# Altium PCB spin5v1_simple.PcbDoc (part 8 of 25)
Units mm, origin at the board's own origin, x right, y up, seen from the top; angles counter-clockwise.
Board outline 220.03 x 233.43 mm, 2 copper layers (TOP, BOTTOM), stack 0.176 mm thick; 1457 components, 4724 nets, 19245 pads, 25289 vias.
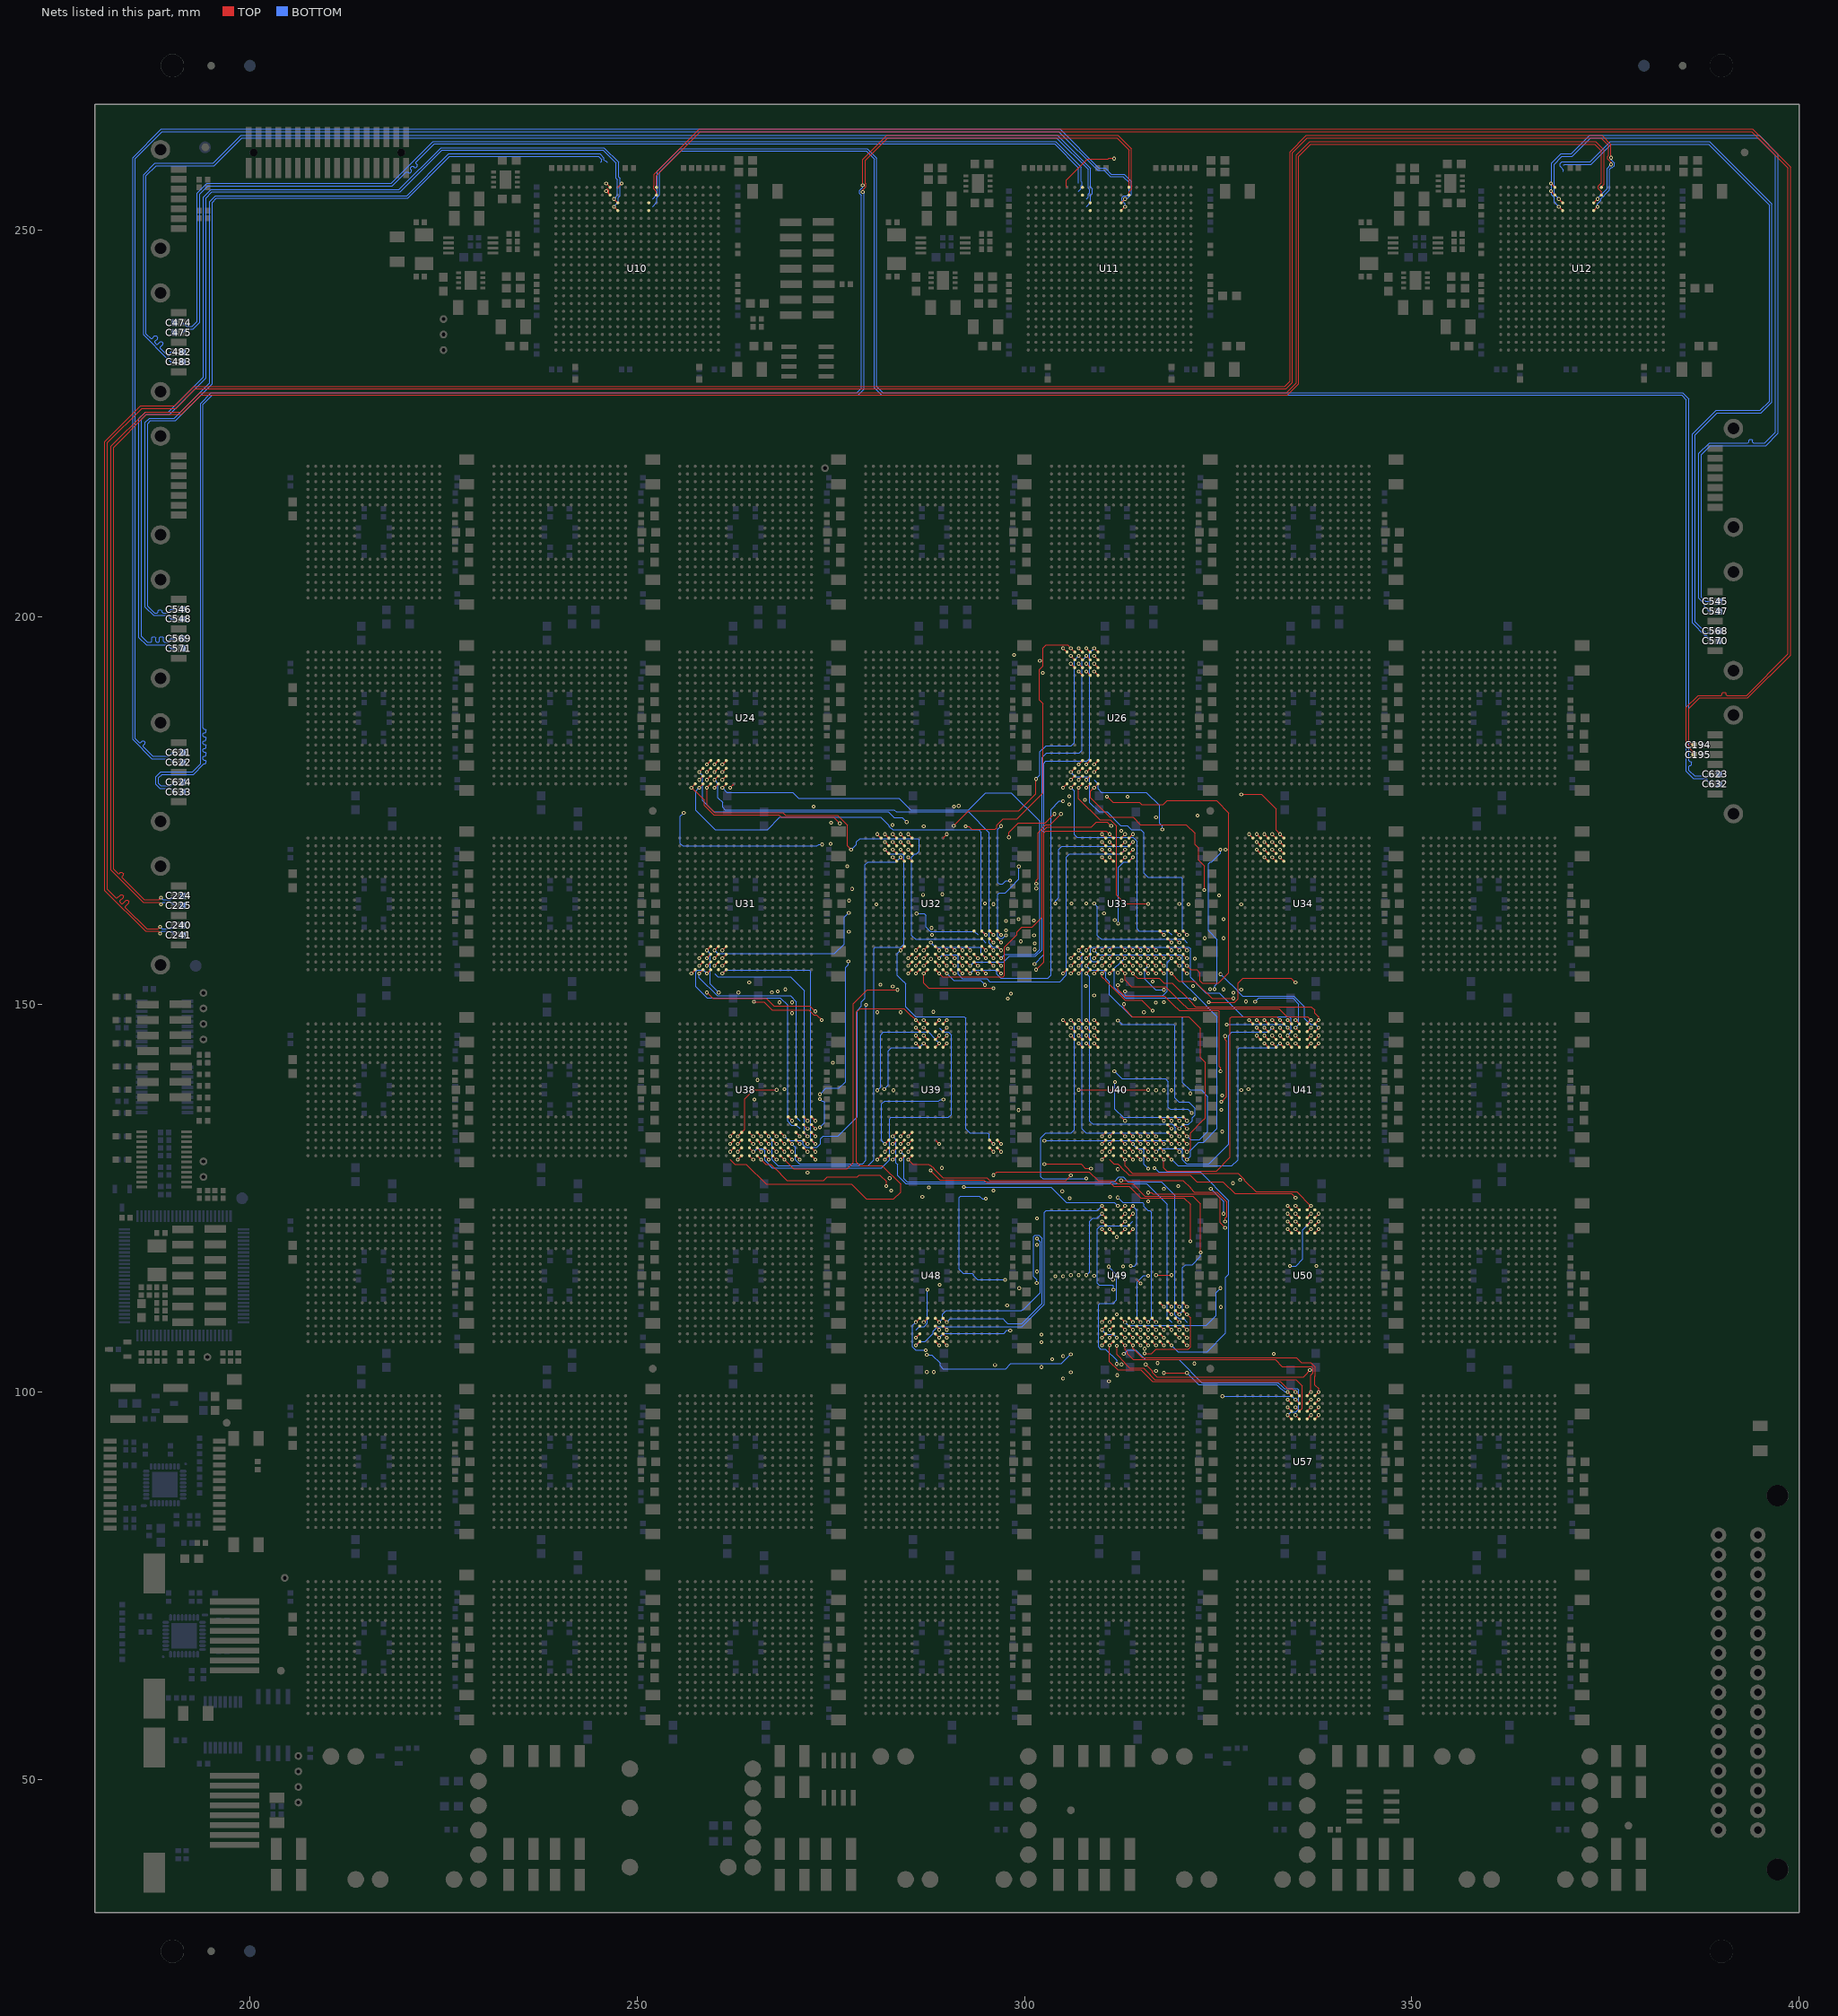
[diagram p8: the nets of this part, all layers, seen from the top]

## Via types
v1: diameter 0.48, hole 0.25, TOP to BOTTOM, 22348 vias
v2: diameter 0.61, hole 0.3, TOP to BOTTOM, 2059 vias
v3: diameter 0.8, hole 0, TOP to BOTTOM, 882 vias

## Nets (pads, with @x,y where several pads share a name; then routed paths per layer and width w, separated by ;. In a path a pad name is that pad's centre, name@x,y a point inside that pad or via, vN(x,y) a via of type N, cw(c..) or ccw(c..) an arc to the next point about the centre after c; other vN are vias at no path point) (continued)
S01_L2<12>: U32.R6 U39.T17 | length 35.4
  BOTTOM w0.127: v1(284,157) 283.568,156.568 283.568,153.764 284.394,152.938 284.431,152.938 284.685,152.684 284.685,149.701 285.955,148.431 292.232,148.431 292.431,148.232 292.431,133.939 292.939,133.431 295.232,133.431 295.431,133.232 295.431,132.569 296,132
S01_L2<13>: U32.V7 U39.T18
  other v1: 297,132 288.261,149.061 285,154
S01_L2<14>: U32.U7 U39.U17
  other v1: 296,131 283.099,138.931 285,155
S01_L2<15>: U32.T7 U39.U18
  other v1: 297,131 285,156
S1_RXN: C547.2 U12.C9 | length 104.3
  BOTTOM w0.125: v1(369,254) 368.755,254.245 368.755,254.313 368.412,254.656 368.412,258.483 369.429,259.5 370.76,259.5 373.135,261.875 394.725,261.875 397,259.6 397,223.9 395.6,222.5 394.154,222.5 394.029,222.625 394.029,222.85 393.904,222.975 393.654,222.975 393.529,222.85 393.529,222.625 393.404,222.5 388.434,222.5 387.075,221.141 387.075,202.454 387.814,201.715 387.814,201.394 387.877,201.331 387.877,201.277 388.384,200.77 388.66,200.77
  other v1: 369,253 368,255 368,256
S1_RXN_3: C569.2 U10.C9 | length 130.2
  BOTTOM w0.125: 190.28,197.23 189.782,197.23 189.657,197.105 189.657,196.882 189.532,196.757 188.952,196.757 188.827,196.882 188.827,197.363 188.702,197.488 188.452,197.488 188.327,197.363 188.327,196.882 188.202,196.757 187.952,196.757 187.827,196.882 187.827,197.363 187.702,197.488 187.452,197.488 187.327,197.363 187.327,196.882 187.202,196.757 186.757,196.757 186,197.514 186,225.54 186.635,226.175 189.635,226.175 194.325,230.865 194.325,254.125 195.1,254.9 219.4,254.9 224.8,260.3 245.602,260.3 247.266,258.636 247.266,256.687 247.449,256.504 247.449,254.517 247.245,254.313 247.245,254.245 247,254
S1_RXN_4: C482.2 U11.C9 | length 157.4
  BOTTOM w0.125: 190.28,234.23 189.782,234.23 189.657,234.105 189.657,233.882 189.532,233.757 189.407,233.757 188.432,234.732 188.432,234.908 188.772,235.248 188.772,235.424 188.594,235.602 188.418,235.602 188.078,235.262 187.902,235.262 187.724,235.44 187.724,235.616 188.064,235.956 188.064,236.132 187.886,236.31 187.71,236.31 187.37,235.97 187.194,235.97 186.6,236.564 186.6,257 187.9,258.3 195.383,258.3 198.983,261.9 304.14,261.9 308.245,257.795 308.245,255.363 308.43,255.178 308.43,254.822 308.245,254.637 308.245,254.245 308,254
S1_RXP: C545.2 U12.D9 | length 104.7
  BOTTOM w0.125: 369,253 368.43,253.57 368.43,254.178 368.087,254.521 368.087,258.618 369.294,259.825 370.625,259.825 373,262.2 394.86,262.2 397.325,259.735 397.325,223.765 395.735,222.175 388.569,222.175 387.4,221.006 387.4,202.589 387.949,202.04 388.66,202.04
S1_RXP_3: C571.2 U10.D9 | length 130.6
  BOTTOM w0.125: 190.28,195.96 189.782,195.96 189.657,196.085 189.657,196.307 189.532,196.432 186.622,196.432 185.675,197.379 185.675,225.675 186.5,226.5 189.5,226.5 194,231 194,254.26 194.965,255.225 219.265,255.225 224.665,260.625 245.737,260.625 247.591,258.771 247.591,256.822 247.774,256.639 247.774,254.382 247.57,254.178 247.57,253.57 v1(247,253)
  other v1: 247,254 248,256
S1_RXP_4: C483.2 U11.D9 | length 157.8
  BOTTOM w0.125: 190.28,232.96 189.782,232.96 189.657,233.085 189.657,233.307 189.532,233.432 189.272,233.432 186.275,236.429 186.275,257.135 187.765,258.625 195.248,258.625 198.848,262.225 304.275,262.225 308.57,257.93 308.57,255.498 308.755,255.313 308.755,254.687 308.57,254.502 308.57,253.57 308,253
S1_TXN: C568.2 U12.A8 | length 97.2
  BOTTOM w0.125: 369.608,257.508 369.608,257.769 369.178,258.199 369.178,258.555 369.43,258.807 369.78,258.807 369.787,258.8 373.04,258.8 375.64,261.4 388.46,261.4 396.525,253.335 396.525,227.765 395.135,226.375 389.435,226.375 386.6,223.54 386.6,199.388 387.983,198.005 388.435,198.005 388.66,198.23
S1_TXN_3: C548.2 U10.A8 | length 117.4
  TOP w0.062: v1@245.922,256.089 U10.A8@246.409,255.602
  BOTTOM w0.125: 190.28,199.77 189.782,199.77 189.657,199.895 189.657,200.117 189.532,200.242 187.544,200.242 186.475,201.311 186.475,225.135 187.04,225.7 190.244,225.7 194.8,230.256 194.8,253.66 195.565,254.425 220.265,254.425 225.665,259.825 245.159,259.825 245.729,259.255 245.729,259.061 245.854,258.936 245.913,258.936 246.097,258.752 246.173,258.752
  other v1: 246,256
S1_TXN_4: C475.2 U11.A8 | length 140
  BOTTOM w0.125: 191.34,236.77 191.792,237.222 192.673,237.222 193.525,238.074 193.525,254.625 194.6,255.7 218.4,255.7 220.197,257.497 220.373,257.497 220.531,257.339 220.707,257.339 220.885,257.517 220.885,257.693 220.727,257.851 220.727,258.027 220.905,258.205 221.081,258.205 221.239,258.047 221.415,258.047 221.593,258.225 221.593,258.401 221.435,258.559 221.435,258.735 223.8,261.1 303.896,261.1 306.998,257.998 306.998,256.15 307,256.148 307,256
S1_TXP: C570.2 U12.B8 | length 95.8
  BOTTOM w0.125: 369.608,258.377 369.682,258.377 369.78,258.475 373.175,258.475 375.775,261.075 388.325,261.075 396.2,253.2 396.2,227.9 395,226.7 389.3,226.7 386.275,223.675 386.275,199.253 387.848,197.68 388.041,197.68 388.166,197.555 388.166,197.454 388.66,196.96
S1_TXP_3: C546.2 U10.B8 | length 116.4
  TOP w0.062: 246.084,255.365 246.337,255.112 246.337,254.663 U10.B8@246.5,254.5
  BOTTOM w0.125: 190.28,201.04 189.782,201.04 189.657,200.915 189.657,200.692 189.532,200.567 188.771,200.567 188.646,200.692 188.646,200.819 188.521,200.944 188.271,200.944 188.146,200.819 188.146,200.692 188.021,200.567 187.679,200.567 186.8,201.446 186.8,225 187.175,225.375 190.379,225.375 195.125,230.121 195.125,253.525 195.7,254.1 220.4,254.1 225.8,259.5 245.024,259.5 245.404,259.12 245.404,258.852 245.304,258.752
  other v1: 246,255
S1_TXP_4: C474.2 U11.B8 | length 140.5
  BOTTOM w0.125: 191.34,238.04 191.833,237.547 192.538,237.547 193.2,238.209 193.2,254.76 194.465,256.025 218.265,256.025 223.665,261.425 304.031,261.425 307.323,258.133 307.323,256.285 307.43,256.178 307.43,255.822 307.337,255.729 307.337,255.337 307,255
S02_L0<0>: U38.R11 U39.D11
  other v1: 266,133 290,145
S02_L0<1>: U38.V10 U39.A10
  other v1: 265,130 289,148
S02_L0<2>: U38.U10 U39.B10 | length 45.6
  BOTTOM w0.127: v1(265,131) 265.431,131.431 266.178,131.431 266.496,131.113 266.496,129.879 267.449,128.926 281.553,128.926 282.569,129.942 282.569,135.232 282.768,135.431 290.164,135.431 290.561,135.828 290.561,146.05 290.18,146.431 289.569,146.431 289,147
S02_L0<3>: U38.T10 U39.C10
  other v1: 265,132 289,146
S02_L0<4>: U38.R10 U39.D10 | length 15.6
  BOTTOM w0.127: v1(281,138.931) 281.431,139.362 281.431,146.05 281.812,146.431 287.621,146.431 288.447,145.605 288.447,145.553 v1(289,145)
  other v1: 265,133 265.145,137.742
S02_L0<5>: U38.V11 U39.A11 | length 18.6
  TOP w0.127: v1(266,130) 266.597,129.403 267.265,129.403 268.535,128.133 268.535,128.092 269.361,127.266 274.085,127.266 274.547,127.728 278.434,127.728 278.688,127.982 281.343,127.982 282.169,127.156 v1(282.169,126.551)
  other v1: 290,148 284,149
S02_L0<6>: U38.U11 U39.B11
  other v1: 266,131 290,147
S02_L0<7>: U38.T11 U39.C11
  other v1: 266,132 290,146 270,150.286 263.076,151.558
S02_L0<8>: U38.R9 U39.D9 | length 19.3
  TOP w0.127: U38.R9@263.5,133.5 263.891,133.891 263.891,137.853 265.034,138.996 v1(268,138.996)
  BOTTOM w0.127: v1(281.901,139.069) 282.431,139.599 282.431,144.05 282.812,144.431 286.431,144.431 v1(287,145)
  other v1: 263,133
S02_L0<9>: U38.V8 U39.A8 | length 60.3
  TOP w0.127: 262,130 262.597,129.403 264.075,129.403 266.654,126.824 277.681,126.824 279.332,125.173 279.332,125.16 279.586,124.906 283.141,124.906 284.03,125.795 284.03,126.8 281.617,129.213 278.752,129.213 278.307,129.658 278.307,149.048 278.752,149.493 284.477,149.493 285.4,148.57 285.43,148.57 v1(286,148)
  other v1: 296,132
S02_L0<10>: U38.U8 U39.B8
  other v1: 262,131 286,147
S02_L0<11>: U38.T8 U39.C8
  other v1: 262,132 286,146
S02_L0<12>: U38.R8 U39.D8
  other v1: 262,133 286,145
S02_L0<13>: U38.V9 U39.A9
  other v1: 263,130 287,148
S02_L0<14>: U38.U9 U39.B9 | length 9.7
  TOP w0.127: v1(265.083,150.365) 266.369,150.365 267.004,149.73 267.004,149.714 267.401,149.317 272.185,149.317 272.817,148.685 273.146,148.685 v1(273.831,148)
  other v1: 263,131 287,147
S02_L0<15>: U38.T9 U39.C9
  other v1: 263,132 287,146
S02_L1<0>: U32.D7 U38.V16
  other v1: 271,130 269.14,151.953 285,169
S02_L1<1>: U32.A6 U38.V14 | length 36.7
  TOP w0.127: v1(269,130) 270.216,128.784 277.087,128.784 277.913,129.61 277.913,150.122 279.691,151.9 v1(283.6,151.9)
  other v1: 284,172
S02_L1<2>: U32.B6 U38.U14
  other v1: 269,131 268.14,151.688 277.742,164.935 274.983,170.742 284,171
S02_L1<3>: U32.C6 U38.T14
  other v1: 269,132 284,170
S02_L1<4>: U32.D6 U38.R14 | length 50.1
  BOTTOM w0.127: v1(269,133) 269.569,132.431 271.232,132.431 271.431,132.232 271.431,131.95 271.812,131.569 273.24,131.569 273.685,132.014 273.685,132.678 274.003,132.996 275.91,132.996 278.45,135.536 278.45,149.267 278.973,149.79 278.973,150.332 279.431,150.79 279.431,168.05 279.812,168.431 283.431,168.431 v1(284,169)
S02_L1<5>: U32.A7 U38.V15
  other v1: 270,130 264.476,152.842 277.335,159.4 285,172
S02_L1<6>: U32.B7 U38.U15
  other v1: 270,131 285,171
S02_L1<7>: U32.C7 U38.T15 | length 31.8
  BOTTOM w0.127: v1(270,132) 270.431,131.569 270.431,129.942 270.939,129.434 279.104,129.434 279.549,129.879 v1(279.549,149.958)
  other v1: 285,170
S02_L1<8>: U32.D5 U38.R13
  other v1: 268,133 267.401,151.565 283,169
S02_L1<9>: U32.A3 U38.V12 | length 19.7
  BOTTOM w0.127: v1(273.607,138.407) 274.398,139.198 276.07,139.198 276.896,140.024 276.896,154.77 277.265,155.139 v1(277.265,155.57)
  other v1: 267,130 281,172
S02_L1<10>: U32.A4 U38.U12
  other v1: 267,131 270,148.886 283,152.331 282,172
S02_L1<11>: U32.B4 U38.T12
  other v1: 267,132 268.4,150.286 281.4,152.589 282,171
S02_L1<12>: U32.C4 U38.R12 | length 62.6
  BOTTOM w0.127: v1(267,133) 267.431,132.569 267.431,129.942 268.193,129.18 279.807,129.18 280.569,129.942 280.569,157.232 280.768,157.431 284.05,157.431 284.431,157.812 284.431,169.232 284.232,169.431 282.569,169.431 v1(282,170)
S02_L1<13>: U32.A5 U38.V13
  other v1: 268,130 265.535,140.258 283,172
S02_L1<14>: U32.B5 U38.U13
  other v1: 268,131 283,171
S02_L1<15>: U32.C5 U38.T13
  other v1: 268,132 269,139.067 281,149 283,170
S02_L2<0>: U31.R5 U38.R16 | length 10.3
  BOTTOM w0.127: v1(259,157) 259.432,156.568 259.432,152.667 v1(260.541,151.558) ; v1(273.607,134.158) 274.204,134.755 274.204,137.371 274.005,137.57 273.837,137.57 v1(273.607,137.8)
  other v1: 271,133
S02_L2<1>: U31.V3 U38.N15
  other v1: 270,135 257,154
S02_L2<2>: U31.V4 U38.N16 | length 29.9
  BOTTOM w0.127: v1(258,154) 258,153.477 260.35,151.127 269.774,151.127 270.568,150.333 270.568,135.432 271,135
  other v1: 259,154
S02_L2<3>: U31.U4 U38.N17 | length 15
  TOP w0.127: v1(259,151.558) 259.762,150.796 266.686,150.796 267.258,150.224 267.258,150.222 267.655,149.825 272.291,149.825 v1(273,149.116)
  other v1: 272,135 258,155
S02_L2<4>: U31.T4 U38.N18
  other v1: 273,135 258,156
S02_L2<5>: U31.V5 U38.P16 | length 33.4
  BOTTOM w0.127: 259,154 258.569,154.431 257.768,154.431 257.569,154.232 257.569,152.327 259.03,150.866 268.478,150.866 269.431,149.913 269.431,134.939 269.939,134.431 270.569,134.431 271,134
S02_L2<6>: U31.U5 U38.P17
  other v1: 272,134 259,155
S02_L2<7>: U31.T5 U38.P18
  other v1: 273,134 259,156
S02_L2<8>: U31.R7 U38.V18
  other v1: 273,130 261,157
S02_L2<9>: U31.V6 U38.R17 | length 31.5
  BOTTOM w0.127: 260,154 260.431,153.569 269.79,153.569 271.568,151.791 271.568,133.432 v1(272,133)
S02_L2<10>: U31.U6 U38.R18
  other v1: 273,133 260,155
S02_L2<11>: U31.T6 U38.T16
  other v1: 271,132 260,156
S02_L2<12>: U31.R6 U38.T17 | length 21.7
  BOTTOM w0.127: v1(260,157) 260.431,156.569 275.476,156.569 276.746,157.839 276.746,161.26 v1(277.328,161.842)
  other v1: 272,132
S02_L2<13>: U31.V7 U38.T18 | length 34.2
  BOTTOM w0.127: v1(261,154) 261.431,154.431 272.232,154.431 272.431,154.232 272.431,132.569 v1(273,132)
S02_L2<14>: U31.U7 U38.U17
  other v1: 272,131 275.28,142.494 261,155
S02_L2<15>: U31.T7 U38.U18
  other v1: 272,128.304 273,131 261,156
S2_RXNMGT: C240.2 U12.C13 | length 307.5
  TOP w0.125: v1(188.4,160.059) 188.128,159.787 186.673,159.787 183.939,162.521 183.939,162.697 184.378,163.136 184.378,163.312 184.2,163.49 184.024,163.49 183.585,163.051 183.409,163.051 183.231,163.229 183.231,163.405 183.67,163.844 183.67,164.02 183.492,164.198 183.316,164.198 182.877,163.759 182.701,163.759 181.6,164.86 181.6,222.54 186.035,226.975 190.435,226.975 192.935,229.475 333.775,229.475 334.625,230.325 334.625,259.965 336.535,261.875 374.433,261.875 375.418,260.89 375.418,259.614 375.311,259.507 375.311,259.151 375.741,258.721 v1(375.741,258.46)
  BOTTOM w0.125: v1(188.4,160.059) 188.672,159.787 189.837,159.787 190.28,160.23 ; v1(374,254) 374.105,254.105 374.105,254.173 374.687,254.755 ; 374.688,254.755 375.245,255.313 375.245,257.964 v1(375.741,258.46)
  other v1: 374,253
S2_RXNMGT_1: C623.2 U10.C13 | length 220.5
  BOTTOM w0.125: 252,254 252.245,254.245 252.245,254.313 252.588,254.656 252.588,257.588 255.5,260.5 279.696,260.5 280.925,259.271 280.925,229.775 281.7,229 384.997,229 385.8,228.197 385.8,181.502 385.925,181.377 386.022,181.377 386.147,181.252 386.147,181.002 386.022,180.877 385.925,180.877 385.8,180.752 385.8,180.235 386.535,179.5 388.43,179.5 388.66,179.73
S2_RXNMGT_2: C622.2 U11.C13 | length 218.1
  BOTTOM w0.125: 190.28,181.27 190.093,181.27 189.608,181.755 187.321,181.755 184.875,184.201 184.875,259.341 188.559,263.025 304.575,263.025 309.591,258.009 310.43,258.009 311.232,257.207 312.872,257.207 313.825,256.254 313.825,254.573 313.357,254.105 312.957,254.105 312.895,254.043 312.895,253.988 312.926,253.957 312.957,253.957 v1(313,254)
  other v1: 313,253 311.574,259.218
S2_RXPMGT: C241.2 U12.D13 | length 307.5
  TOP w0.125: v1(188.4,159.19) 188.128,159.462 186.538,159.462 181.275,164.725 181.275,222.675 185.9,227.3 190.3,227.3 192.8,229.8 333.64,229.8 334.3,230.46 334.3,260.1 336.4,262.2 374.568,262.2 375.743,261.025 375.743,259.479 375.741,259.477 v1(375.741,259.329)
  BOTTOM w0.125: v1(188.4,159.19) 188.672,159.462 189.805,159.462 190.28,158.987 190.28,158.96 ; 374,253 374,253.392 374.43,253.822 374.43,254.038 374.822,254.43 ; 374.823,254.43 375.05,254.657 375.57,255.178 375.57,257.829 375.771,258.03 375.919,258.03 376.172,258.283 376.172,258.594 376.171,258.595 376.171,258.638 375.741,259.068 v1(375.741,259.329)
S2_RXPMGT_1: C632.2 U10.D13 | length 221
  BOTTOM w0.125: 252,253 252.57,253.57 252.57,254.178 252.913,254.521 252.913,257.453 255.635,260.175 279.561,260.175 280.6,259.136 280.6,229.64 281.565,228.675 384.862,228.675 385.475,228.062 385.475,180.1 386.4,179.175 388.05,179.175 388.175,179.05 388.175,178.945 388.66,178.46
S2_RXPMGT_2: C621.2 U11.D13 | length 218.3
  BOTTOM w0.125: 190.28,182.54 190.005,182.54 189.545,182.08 187.456,182.08 186.248,183.288 186.248,183.464 186.477,183.693 186.477,183.869 186.299,184.047 186.123,184.047 185.894,183.818 185.718,183.818 185.2,184.336 185.2,259.207 188.693,262.7 304.44,262.7 309.456,257.684 310.295,257.684 311.097,256.882 312.738,256.882 313.5,256.12 313.5,254.708 313.222,254.43 312.822,254.43 312.57,254.178 312.57,253.822 313,253.392 313,253
S2_TXNMGT: C225.2 U12.A14 | length 296.7
  TOP w0.125: v1(188.516,162.94) 188.244,163.212 186.228,163.212 182.075,167.365 182.075,222.075 186.5,226.5 191.044,226.5 193.544,229 333.84,229 335.1,230.26 335.1,259.66 336.84,261.4 373.747,261.4 374.834,260.313 374.834,255.925 374.5,255.591 U12.A14@374.5,255.5
  BOTTOM w0.125: v1(188.516,162.94) 188.788,163.212 189.838,163.212 190.28,162.77
S2_TXNMGT_1: C195.2 U10.A14 | length 237.8
  TOP w0.125: U10.A14@252.5,255.5 252.455,255.455 252.455,255.495 252.5,255.54 252.5,257.04 258.16,262.7 393.9,262.7 398.6,258 398.6,195.26 393.248,189.908 390.714,189.908 390.589,190.033 390.589,190.189 390.464,190.314 390.214,190.314 390.089,190.189 390.089,190.033 389.964,189.908 387.022,189.908 385.475,188.361 385.475,183.741 385.935,183.281 385.935,183.052 386.47,182.517 C195.2@386.47,182.25
S2_TXNMGT_2: C624.2 U11.A14 | length 215.5
  TOP w0.125: v1(279.122,254.898) 279.122,255.159 279.552,255.589 279.552,255.945 279.447,256.05 279.447,258.987 282.36,261.9 311.94,261.9 313.5,260.34 U11.A14@313.5,255.5
  BOTTOM w0.125: 190.28,178.73 189.805,178.255 188.513,178.255 188.202,178.566 188.202,179.277 188.641,179.716 192.715,179.716 194.071,181.072 194.233,181.072 194.358,181.197 194.358,181.447 194.233,181.572 194.071,181.572 193.946,181.697 193.946,181.947 194.071,182.072 194.233,182.072 194.358,182.197 194.358,182.447 194.233,182.572 194.071,182.572 193.946,182.697 193.946,182.947 194.071,183.072 194.233,183.072 194.358,183.197 194.358,183.447 194.233,183.572 194.071,183.572 193.946,183.697 193.946,183.947 194.071,184.072 194.233,184.072 194.358,184.197 194.358,184.447 194.233,184.572 194.071,184.572 193.946,184.697 193.946,184.947 194.071,185.072 194.233,185.072 194.358,185.197 194.358,185.447 194.233,185.572 194.071,185.572 193.946,185.697 193.946,227.486 195.135,228.675 278.522,228.675 279.3,229.453 279.3,254.72 v1(279.122,254.898)
S2_TXPMGT: C224.2 U12.B14 | length 296.9
  TOP w0.125: v1(188.516,163.809) 188.244,163.537 186.363,163.537 183.514,166.386 183.514,166.562 183.66,166.708 183.66,166.884 183.482,167.062 183.306,167.062 183.16,166.916 182.984,166.916 182.4,167.5 182.4,221.94 186.635,226.175 191.179,226.175 193.679,228.675 333.975,228.675 335.425,230.125 335.425,259.525 336.975,261.075 373.612,261.075 374.509,260.178 374.509,256.06 374.11,255.661 374.11,255.339 374.5,254.949 U12.B14@374.5,254.5
  BOTTOM w0.125: v1(188.516,163.809) 188.788,163.537 189.777,163.537 190.28,164.04
S2_TXPMGT_1: C194.2 U10.B14 | length 238.2
  TOP w0.125: U10.B14@252.5,254.5 252.5,254.949 252.11,255.339 252.11,255.661 252.175,255.726 252.175,257.175 258.025,263.025 394.035,263.025 398.925,258.135 398.925,195.125 393.383,189.583 387.157,189.583 385.8,188.226 385.8,183.876 386.176,183.5 C194.2@386.47,183.5
S2_TXPMGT_2: C633.2 U11.B14 | length 215.6
  TOP w0.125: v1(279.122,255.767) 279.122,259.122 282.225,262.225 312.075,262.225 313.825,260.475 313.825,255.726 313.89,255.661 313.89,255.339 313.5,254.949 U11.B14@313.5,254.5
  BOTTOM w0.125: 190.28,177.46 190.247,177.46 189.777,177.93 188.378,177.93 187.877,178.431 187.877,179.412 188.506,180.041 192.58,180.041 193.621,181.082 193.621,227.621 195,229 278.387,229 278.975,229.588 278.975,254.437 278.692,254.72 278.692,255.076 279.122,255.506 v1(279.122,255.767)
S03_L0<0>: U32.R11 U33.D11 | length 9.7
  BOTTOM w0.127: v1(312.107,160.465) 312.107,167.732 312.806,168.431 313.431,168.431 v1(314,169)
  other v1: 297.862,150.789 290,157 297.862,157.208
S03_L0<1>: U32.V10 U33.A10 | length 39.7
  TOP w0.127: v1(289,154) 289.431,153.569 297.232,153.569 297.431,153.768 297.431,157.421 299.061,159.051 299.061,159.354 299.696,159.989 300.998,159.989 302.268,161.259 302.268,172.304 302.903,172.939 308.668,172.939 309.318,173.589 310.673,173.589 v1(311.2,173.062)
  other v1: 313,172
S03_L0<2>: U32.U10 U33.B10
  other v1: 289,155 313,171
S03_L0<3>: U32.T10 U33.C10 | length 42.9
  BOTTOM w0.127: v1(289,156) 289.431,156.431 291.232,156.431 291.431,156.232 291.431,153.929 292.003,153.357 295.145,153.357 295.529,152.973 304.606,152.973 305.432,153.799 305.432,169.05 305.813,169.431 312.431,169.431 v1(313,170)
S03_L0<4>: U32.R10 U33.D10
  other v1: 289,157 308,163.066 301.542,164.991 313,169
S03_L0<5>: U32.V11 U33.A11 | length 5.5
  BOTTOM w0.127: v1(290,154) 290.509,153.491 290.509,153.484 290.89,153.103 294.346,153.103 v1(294.906,152.543)
  other v1: 321,159 314,172
S03_L0<6>: U32.U11 U33.B11 | length 17.2
  BOTTOM w0.127: v1(304.001,163.067) 304.001,163.498 304.113,163.498 304.431,163.816 304.431,170.05 304.812,170.431 313.431,170.431 v1(314,171)
  other v1: 290,155

## Text inside footprints (layer, text, board x,y; h text height)
U27: PIN_NUMBER "M17" at 343.166,184.5 h0.24; PIN_NUMBER "M18" at 344.166,184.5 h0.24; PIN_NUMBER "J17" at 343.166,187.5 h0.24; PIN_NUMBER "J18" at 344.166,187.5 h0.24; PIN_NUMBER "J16" at 342.166,187.5 h0.24; PIN_NUMBER "C17" at 343.166,193.5 h0.24; PIN_NUMBER "C18" at 344.166,193.5 h0.24; PIN_NUMBER "D16" at 342.166,192.5 h0.24; PIN_NUMBER "K15" at 341.166,186.5 h0.24; PIN_NUMBER "K16" at 342.166,186.5 h0.24; PIN_NUMBER "E18" at 344.166,191.5 h0.24; PIN_NUMBER "F16" at 342.166,190.5 h0.24; PIN_NUMBER "M16" at 342.166,184.5 h0.24; PIN_NUMBER "P14" at 340.166,182.5 h0.24; PIN_NUMBER "N13" at 339.166,183.5 h0.24; PIN_NUMBER "N14" at 340.166,183.5 h0.24; PIN_NUMBER "M12" at 338.166,184.5 h0.24; PIN_NUMBER "M13" at 339.166,184.5 h0.24; PIN_NUMBER "M14" at 340.166,184.5 h0.24; PIN_NUMBER "H12" at 338.166,188.5 h0.24; PIN_NUMBER "H13" at 339.166,188.5 h0.24; PIN_NUMBER "H14" at 340.166,188.5 h0.24; PIN_NUMBER "E6" at 331.854,191.5 h0.24; PIN_NUMBER "E7" at 332.854,191.5 h0.24; PIN_NUMBER "F7" at 332.854,190.5 h0.24; PIN_NUMBER "E8" at 333.854,191.5 h0.24; PIN_NUMBER "F8" at 333.854,190.5 h0.24; PIN_NUMBER "L5" at 330.854,185.5 h0.24; PIN_NUMBER "L6" at 331.854,185.5 h0.24; PIN_NUMBER "L7" at 332.854,185.5 h0.24; PIN_NUMBER "G7" at 332.854,189.5 h0.24; PIN_NUMBER "G5" at 330.854,189.5 h0.24; PIN_NUMBER "G6" at 331.854,189.5 h0.24; PIN_NUMBER "F5" at 330.854,190.5 h0.24; PIN_NUMBER "F6" at 331.854,190.5 h0.24; PIN_NUMBER "E5" at 330.854,191.5 h0.24; PIN_NUMBER "P11" at 337.166,182.5 h0.24; PIN_NUMBER "N11" at 337.166,183.5 h0.24; PIN_NUMBER "P12" at 338.166,182.5 h0.24; PIN_NUMBER "N12" at 338.166,183.5 h0.24; PIN_NUMBER "P13" at 339.166,182.5 h0.24; PIN_NUMBER "K12" at 338.166,186.5 h0.24; PIN_NUMBER "K13" at 339.166,186.5 h0.24; PIN_NUMBER "K14" at 340.166,186.5 h0.24; PIN_NUMBER "E10" at 335.936,191.5 h0.24; PIN_NUMBER "F10" at 335.936,190.5 h0.24; PIN_NUMBER "J5" at 330.854,187.5 h0.24; PIN_NUMBER "J6" at 331.854,187.5 h0.24; PIN_NUMBER "J7" at 332.854,187.5 h0.24; PIN_NUMBER "N9" at 334.854,183.5 h0.24; PIN_NUMBER "P9" at 334.854,182.5 h0.24; PIN_NUMBER "B18" at 344.166,194.5 h0.24; PIN_NUMBER "G16" at 342.166,189.5 h0.24; PIN_NUMBER "C16" at 342.166,193.5 h0.24; PIN_NUMBER "G17" at 343.166,189.5 h0.24; PIN_NUMBER "C13" at 339.166,193.5 h0.24; PIN_NUMBER "B13" at 339.166,194.5 h0.24; PIN_NUMBER "A13" at 339.166,195.5 h0.24; PIN_NUMBER "D14" at 340.166,192.5 h0.24; PIN_NUMBER "C14" at 340.166,193.5 h0.24; PIN_NUMBER "B14" at 340.166,194.5 h0.24; PIN_NUMBER "A14" at 340.166,195.5 h0.24; PIN_NUMBER "K17" at 343.166,186.5 h0.24; PIN_NUMBER "K18" at 344.166,186.5 h0.24; PIN_NUMBER "L15" at 341.166,185.5 h0.24; PIN_NUMBER "L16" at 342.166,185.5 h0.24; PIN_NUMBER "A8" at 333.854,195.5 h0.24; PIN_NUMBER "D9" at 334.854,192.5 h0.24; PIN_NUMBER "C11" at 337.166,193.5 h0.24; PIN_NUMBER "B11" at 337.166,194.5 h0.24; PIN_NUMBER "A11" at 337.166,195.5 h0.24; PIN_NUMBER "D10" at 335.936,192.5 h0.24; PIN_NUMBER "C10" at 335.936,193.5 h0.24; PIN_NUMBER "B10" at 335.936,194.5 h0.24; PIN_NUMBER "A10" at 335.936,195.5 h0.24; PIN_NUMBER "C9" at 334.854,193.5 h0.24; PIN_NUMBER "B9" at 334.854,194.5 h0.24; PIN_NUMBER "A9" at 334.854,195.5 h0.24; PIN_NUMBER "D8" at 333.854,192.5 h0.24; PIN_NUMBER "C8" at 333.854,193.5 h0.24; PIN_NUMBER "B8" at 333.854,194.5 h0.24; PIN_NUMBER "D11" at 337.166,192.5 h0.24; PIN_NUMBER "R17" at 343.166,181.5 h0.24; PIN_NUMBER "V18" at 344.166,178.5 h0.24; PIN_NUMBER "P18" at 344.166,182.5 h0.24; PIN_NUMBER "P17" at 343.166,182.5 h0.24; PIN_NUMBER "P16" at 342.166,182.5 h0.24; PIN_NUMBER "N18" at 344.166,183.5 h0.24; PIN_NUMBER "N17" at 343.166,183.5 h0.24; PIN_NUMBER "N16" at 342.166,183.5 h0.24; PIN_NUMBER "N15" at 341.166,183.5 h0.24; PIN_NUMBER "U18" at 344.166,179.5 h0.24; PIN_NUMBER "U17" at 343.166,179.5 h0.24; PIN_NUMBER "T18" at 344.166,180.5 h0.24; PIN_NUMBER "T17" at 343.166,180.5 h0.24; PIN_NUMBER "T16" at 342.166,180.5 h0.24; PIN_NUMBER "R18" at 344.166,181.5 h0.24; PIN_NUMBER "R16" at 342.166,181.5 h0.24; PIN_NUMBER "V12" at 338.166,178.5 h0.24; PIN_NUMBER "R13" at 339.166,181.5 h0.24; PIN_NUMBER "T15" at 341.166,180.5 h0.24; PIN_NUMBER "U15" at 341.166,179.5 h0.24; PIN_NUMBER "V15" at 341.166,178.5 h0.24; PIN_NUMBER "R14" at 340.166,181.5 h0.24; PIN_NUMBER "T14" at 340.166,180.5 h0.24; PIN_NUMBER "U14" at 340.166,179.5 h0.24; PIN_NUMBER "V14" at 340.166,178.5 h0.24; PIN_NUMBER "T13" at 339.166,180.5 h0.24; PIN_NUMBER "U13" at 339.166,179.5 h0.24; PIN_NUMBER "V13" at 339.166,178.5 h0.24; PIN_NUMBER "R12" at 338.166,181.5 h0.24; PIN_NUMBER "T12" at 338.166,180.5 h0.24; PIN_NUMBER "U12" at 338.166,179.5 h0.24; PIN_NUMBER "V16" at 342.166,178.5 h0.24; PIN_NUMBER "V8" at 333.854,178.5 h0.24; PIN_NUMBER "R9" at 334.854,181.5 h0.24; PIN_NUMBER "T11" at 337.166,180.5 h0.24; PIN_NUMBER "U11" at 337.166,179.5 h0.24; PIN_NUMBER "V11" at 337.166,178.5 h0.24; PIN_NUMBER "R10" at 335.936,181.5 h0.24; PIN_NUMBER "T10" at 335.936,180.5 h0.24; PIN_NUMBER "U10" at 335.936,179.5 h0.24; PIN_NUMBER "V10" at 335.936,178.5 h0.24; PIN_NUMBER "T9" at 334.854,180.5 h0.24; PIN_NUMBER "U9" at 334.854,179.5 h0.24; PIN_NUMBER "V9" at 334.854,178.5 h0.24; PIN_NUMBER "R8" at 333.854,181.5 h0.24; PIN_NUMBER "T8" at 333.854,180.5 h0.24; PIN_NUMBER "U8" at 333.854,179.5 h0.24; PIN_NUMBER "R11" at 337.166,181.5 h0.24; PIN_NUMBER "V6" at 331.854,178.5 h0.24; PIN_NUMBER "R7" at 332.854,181.5 h0.24; PIN_NUMBER "T5" at 330.854,180.5 h0.24; PIN_NUMBER "U5" at 330.854,179.5 h0.24; PIN_NUMBER "V5" at 330.854,178.5 h0.24; PIN_NUMBER "T4" at 329.854,180.5 h0.24; PIN_NUMBER "U4" at 329.854,179.5 h0.24; PIN_NUMBER "V4" at 329.854,178.5 h0.24; PIN_NUMBER "V3" at 328.854,178.5 h0.24; PIN_NUMBER "T7" at 332.854,180.5 h0.24; PIN_NUMBER "U7" at 332.854,179.5 h0.24; PIN_NUMBER "V7" at 332.854,178.5 h0.24; PIN_NUMBER "R6" at 331.854,181.5 h0.24; PIN_NUMBER "T6" at 331.854,180.5 h0.24; PIN_NUMBER "U6" at 331.854,179.5 h0.24; PIN_NUMBER "R5" at 330.854,181.5 h0.24; PIN_NUMBER "A3" at 328.854,195.5 h0.24; PIN_NUMBER "D5" at 330.854,192.5 h0.24; PIN_NUMBER "C7" at 332.854,193.5 h0.24; PIN_NUMBER "B7" at 332.854,194.5 h0.24; PIN_NUMBER "A7" at 332.854,195.5 h0.24; PIN_NUMBER "D6" at 331.854,192.5 h0.24; PIN_NUMBER "C6" at 331.854,193.5 h0.24; PIN_NUMBER "B6" at 331.854,194.5 h0.24; PIN_NUMBER "A6" at 331.854,195.5 h0.24; PIN_NUMBER "C5" at 330.854,193.5 h0.24; PIN_NUMBER "B5" at 330.854,194.5 h0.24; PIN_NUMBER "A5" at 330.854,195.5 h0.24; PIN_NUMBER "C4" at 329.854,193.5 h0.24; PIN_NUMBER "B4" at 329.854,194.5 h0.24; PIN_NUMBER "A4" at 329.854,195.5 h0.24; PIN_NUMBER "D7" at 332.854,192.5 h0.24; PIN_NUMBER "C15" at 341.166,193.5 h0.24; PIN_NUMBER "B15" at 341.166,194.5 h0.24; PIN_NUMBER "A15" at 341.166,195.5 h0.24; PIN_NUMBER "B16" at 342.166,194.5 h0.24; PIN_NUMBER "A16" at 342.166,195.5 h0.24; PIN_NUMBER "A17" at 343.166,195.5 h0.24; PIN_NUMBER "A18" at 344.166,195.5 h0.24; PIN_NUMBER "B17" at 343.166,194.5 h0.24; PIN_NUMBER "H16" at 342.166,188.5 h0.24; PIN_NUMBER "H15" at 341.166,188.5 h0.24; PIN_NUMBER "B12" at 338.166,194.5 h0.24; PIN_NUMBER "C12" at 338.166,193.5 h0.24; PIN_NUMBER "A12" at 338.166,195.5 h0.24; PIN_NUMBER "D13" at 339.166,192.5 h0.24; PIN_NUMBER "F17" at 343.166,190.5 h0.24; PIN_NUMBER "F18" at 344.166,190.5 h0.24; PIN_NUMBER "D17" at 343.166,192.5 h0.24; PIN_NUMBER "D18" at 344.166,192.5 h0.24; PIN_NUMBER "E16" at 342.166,191.5 h0.24; PIN_NUMBER "E17" at 343.166,191.5 h0.24; PIN_NUMBER "L12" at 338.166,185.5 h0.24; PIN_NUMBER "L13" at 339.166,185.5 h0.24; PIN_NUMBER "L14" at 340.166,185.5 h0.24; PIN_NUMBER "L17" at 343.166,185.5 h0.24; PIN_NUMBER "L18" at 344.166,185.5 h0.24; PIN_NUMBER "J12" at 338.166,187.5 h0.24; PIN_NUMBER "J13" at 339.166,187.5 h0.24; PIN_NUMBER "J14" at 340.166,187.5 h0.24; PIN_NUMBER "H17" at 343.166,188.5 h0.24; PIN_NUMBER "H18" at 344.166,188.5 h0.24; PIN_NUMBER "G12" at 338.166,189.5 h0.24; PIN_NUMBER "G13" at 339.166,189.5 h0.24; PIN_NUMBER "G14" at 340.166,189.5 h0.24; PIN_NUMBER "F13" at 339.166,190.5 h0.24; PIN_NUMBER "F14" at 340.166,190.5 h0.24; PIN_NUMBER "E14" at 340.166,191.5 h0.24; PIN_NUMBER "E9" at 334.854,191.5 h0.24; PIN_NUMBER "F9" at 334.854,190.5 h0.24; PIN_NUMBER "F11" at 337.166,190.5 h0.24; PIN_NUMBER "E11" at 337.166,191.5 h0.24; PIN_NUMBER "F12" at 338.166,190.5 h0.24; PIN_NUMBER "E12" at 338.166,191.5 h0.24; PIN_NUMBER "E13" at 339.166,191.5 h0.24; PIN_NUMBER "P5" at 330.854,182.5 h0.24; PIN_NUMBER "N6" at 331.854,183.5 h0.24; PIN_NUMBER "N5" at 330.854,183.5 h0.24; PIN_NUMBER "M5" at 330.854,184.5 h0.24; PIN_NUMBER "M6" at 331.854,184.5 h0.24; PIN_NUMBER "M7" at 332.854,184.5 h0.24; PIN_NUMBER "K5" at 330.854,186.5 h0.24; PIN_NUMBER "K6" at 331.854,186.5 h0.24; PIN_NUMBER "K7" at 332.854,186.5 h0.24; PIN_NUMBER "H5" at 330.854,188.5 h0.24; PIN_NUMBER "H6" at 331.854,188.5 h0.24; PIN_NUMBER "H7" at 332.854,188.5 h0.24; PIN_NUMBER "P6" at 331.854,182.5 h0.24; PIN_NUMBER "N7" at 332.854,183.5 h0.24; PIN_NUMBER "P7" at 332.854,182.5 h0.24; PIN_NUMBER "N8" at 333.854,183.5 h0.24; PIN_NUMBER "P8" at 333.854,182.5 h0.24; PIN_NUMBER "P10" at 335.936,182.5 h0.24; PIN_NUMBER "N10" at 335.936,183.5 h0.24; PIN_NUMBER "D12" at 338.166,192.5 h0.24; PIN_NUMBER "G15" at 341.166,189.5 h0.24; PIN_NUMBER "M15" at 341.166,184.5 h0.24; PIN_NUMBER "G18" at 344.166,189.5 h0.24; PIN_NUMBER "R15" at 341.166,181.5 h0.24; PIN_NUMBER "P15" at 341.166,182.5 h0.24; PIN_NUMBER "J15" at 341.166,187.5 h0.24; PIN_NUMBER "F15" at 341.166,190.5 h0.24; PIN_NUMBER "E15" at 341.166,191.5 h0.24; PIN_NUMBER "D15" at 341.166,192.5 h0.24; PIN_NUMBER "V17" at 343.166,178.5 h0.24; PIN_NUMBER "U16" at 342.166,179.5 h0.24; PIN_NUMBER "M3" at 328.854,184.5 h0.24; PIN_NUMBER "M1" at 326.624,184.5 h0.24; PIN_NUMBER "R4" at 329.854,181.5 h0.24; PIN_NUMBER "N2" at 327.854,183.5 h0.24; PIN_NUMBER "F3" at 328.854,190.5 h0.24; PIN_NUMBER "D1" at 326.624,192.5 h0.24; PIN_NUMBER "D4" at 329.854,192.5 h0.24; PIN_NUMBER "D3" at 328.854,192.5 h0.24; PIN_NUMBER "C3" at 328.854,193.5 h0.24; PIN_NUMBER "C2" at 327.854,193.5 h0.24; PIN_NUMBER "C1" at 326.624,193.5 h0.24; PIN_NUMBER "B3" at 328.854,194.5 h0.24; PIN_NUMBER "B2" at 327.854,194.5 h0.24; PIN_NUMBER "V2" at 327.854,178.5 h0.24; PIN_NUMBER "V1" at 326.624,178.5 h0.24; PIN_NUMBER "B1" at 326.624,194.5 h0.24; PIN_NUMBER "U3" at 328.854,179.5 h0.24; PIN_NUMBER "U2" at 327.854,179.5 h0.24; PIN_NUMBER "U1" at 326.624,179.5 h0.24; PIN_NUMBER "T3" at 328.854,180.5 h0.24; PIN_NUMBER "T2" at 327.854,180.5 h0.24; PIN_NUMBER "T1" at 326.624,180.5 h0.24; PIN_NUMBER "R2" at 327.854,181.5 h0.24; PIN_NUMBER "R1" at 326.624,181.5 h0.24; PIN_NUMBER "P4" at 329.854,182.5 h0.24; PIN_NUMBER "P3" at 328.854,182.5 h0.24; PIN_NUMBER "A2" at 327.854,195.5 h0.24; PIN_NUMBER "P2" at 327.854,182.5 h0.24; PIN_NUMBER "P1" at 326.624,182.5 h0.24; PIN_NUMBER "N4" at 329.854,183.5 h0.24; PIN_NUMBER "N3" at 328.854,183.5 h0.24; PIN_NUMBER "F2" at 327.854,190.5 h0.24; PIN_NUMBER "F1" at 326.624,190.5 h0.24; PIN_NUMBER "E4" at 329.854,191.5 h0.24; PIN_NUMBER "E3" at 328.854,191.5 h0.24; PIN_NUMBER "E2" at 327.854,191.5 h0.24; PIN_NUMBER "E1" at 326.624,191.5 h0.24; PIN_NUMBER "A1" at 326.624,195.5 h0.24; PIN_NUMBER "R3" at 328.854,181.5 h0.24; PIN_NUMBER "N1" at 326.624,183.5 h0.24; PIN_NUMBER "F4" at 329.854,190.5 h0.24; PIN_NUMBER "D2" at 327.854,192.5 h0.24; PIN_NUMBER "J4" at 329.854,187.5 h0.24; PIN_NUMBER "J3" at 328.854,187.5 h0.24; PIN_NUMBER "M4" at 329.854,184.5 h0.24; PIN_NUMBER "J1" at 326.624,187.5 h0.24; PIN_NUMBER "J2" at 327.854,187.5 h0.24; PIN_NUMBER "M2" at 327.854,184.5 h0.24; PIN_NUMBER "G1" at 326.624,189.5 h0.24; PIN_NUMBER "G2" at 327.854,189.5 h0.24; PIN_NUMBER "K4" at 329.854,186.5 h0.24; PIN_NUMBER "H2" at 327.854,188.5 h0.24; PIN_NUMBER "L1" at 326.624,185.5 h0.24; PIN_NUMBER "H1" at 326.624,188.5 h0.24; PIN_NUMBER "L2" at 327.854,185.5 h0.24; PIN_NUMBER "G4" at 329.854,189.5 h0.24; PIN_NUMBER "L3" at 328.854,185.5 h0.24; PIN_NUMBER "G3" at 328.854,189.5 h0.24; PIN_NUMBER "L4" at 329.854,185.5 h0.24; PIN_NUMBER "K1" at 326.624,186.5 h0.24; PIN_NUMBER "H4" at 329.854,188.5 h0.24; PIN_NUMBER "K3" at 328.854,186.5 h0.24; PIN_NUMBER "H3" at 328.854,188.5 h0.24; PIN_NUMBER "K2" at 327.854,186.5 h0.24